# Altium PCB PCB - 焊接图.PcbDoc
Units mil, origin at the board's own origin, x right, y up, seen from the top; angles counter-clockwise.
Board outline 1574.8 x 1574.8 mil, 4 copper layers (Top Layer, Layer 1, Layer 2, Bottom Layer), stack 23.756 mil thick; 100 components, 88 nets, 359 pads, 344 vias.
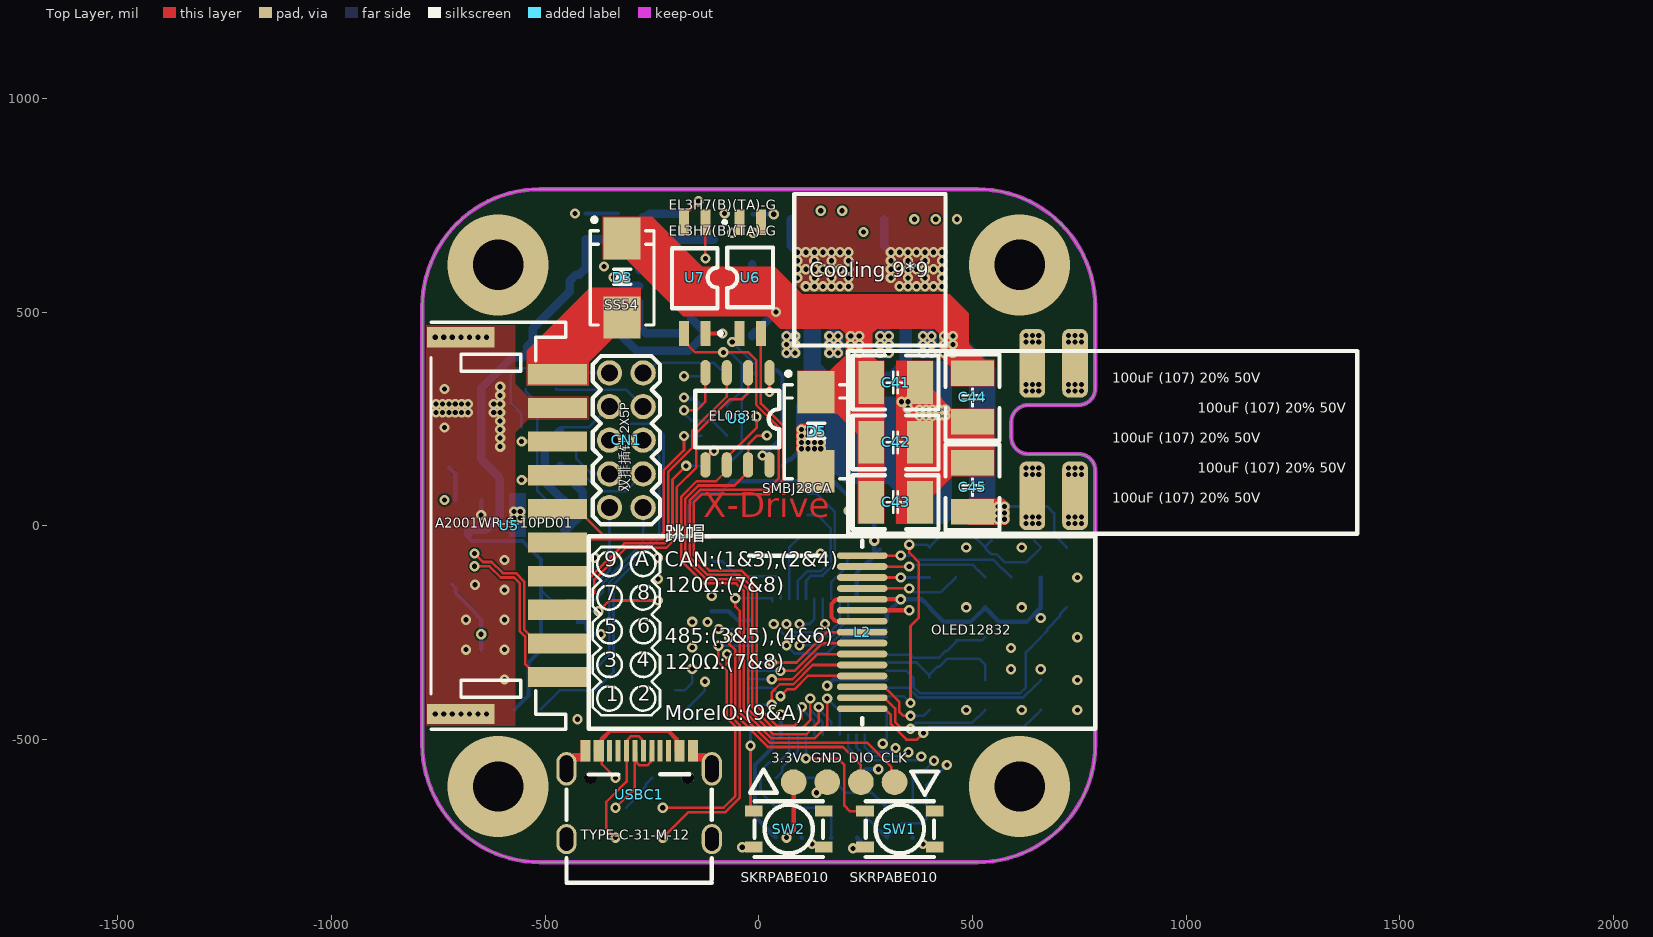
[diagram p0: Top Layer view]
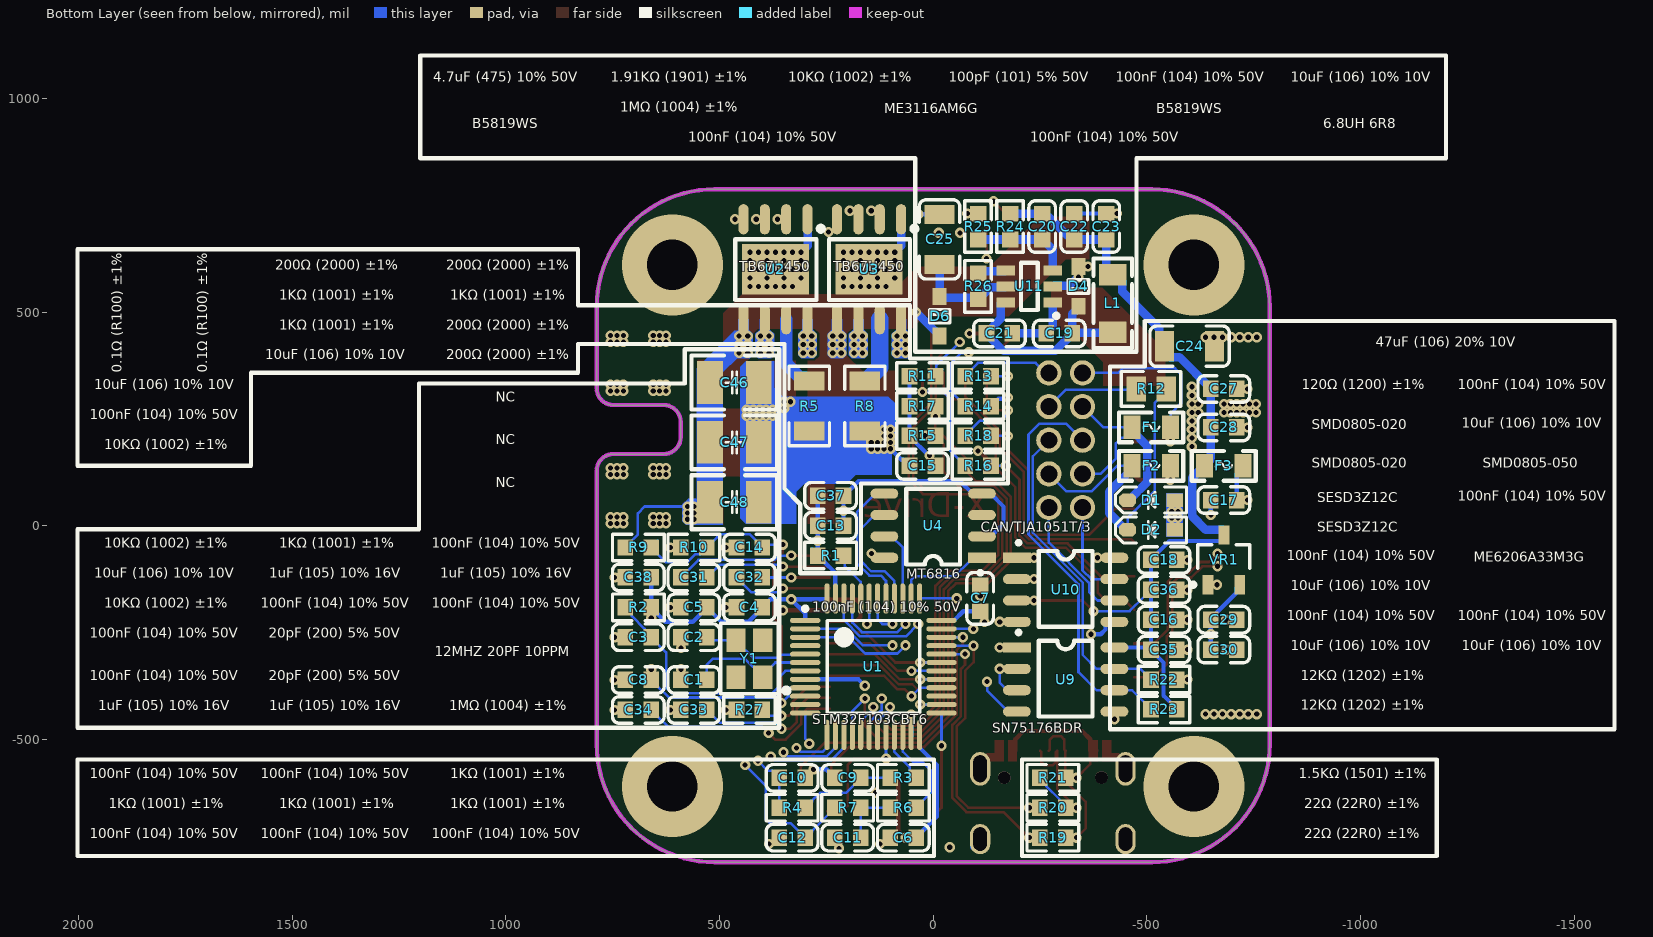
[diagram p1: Bottom Layer view, seen from below]
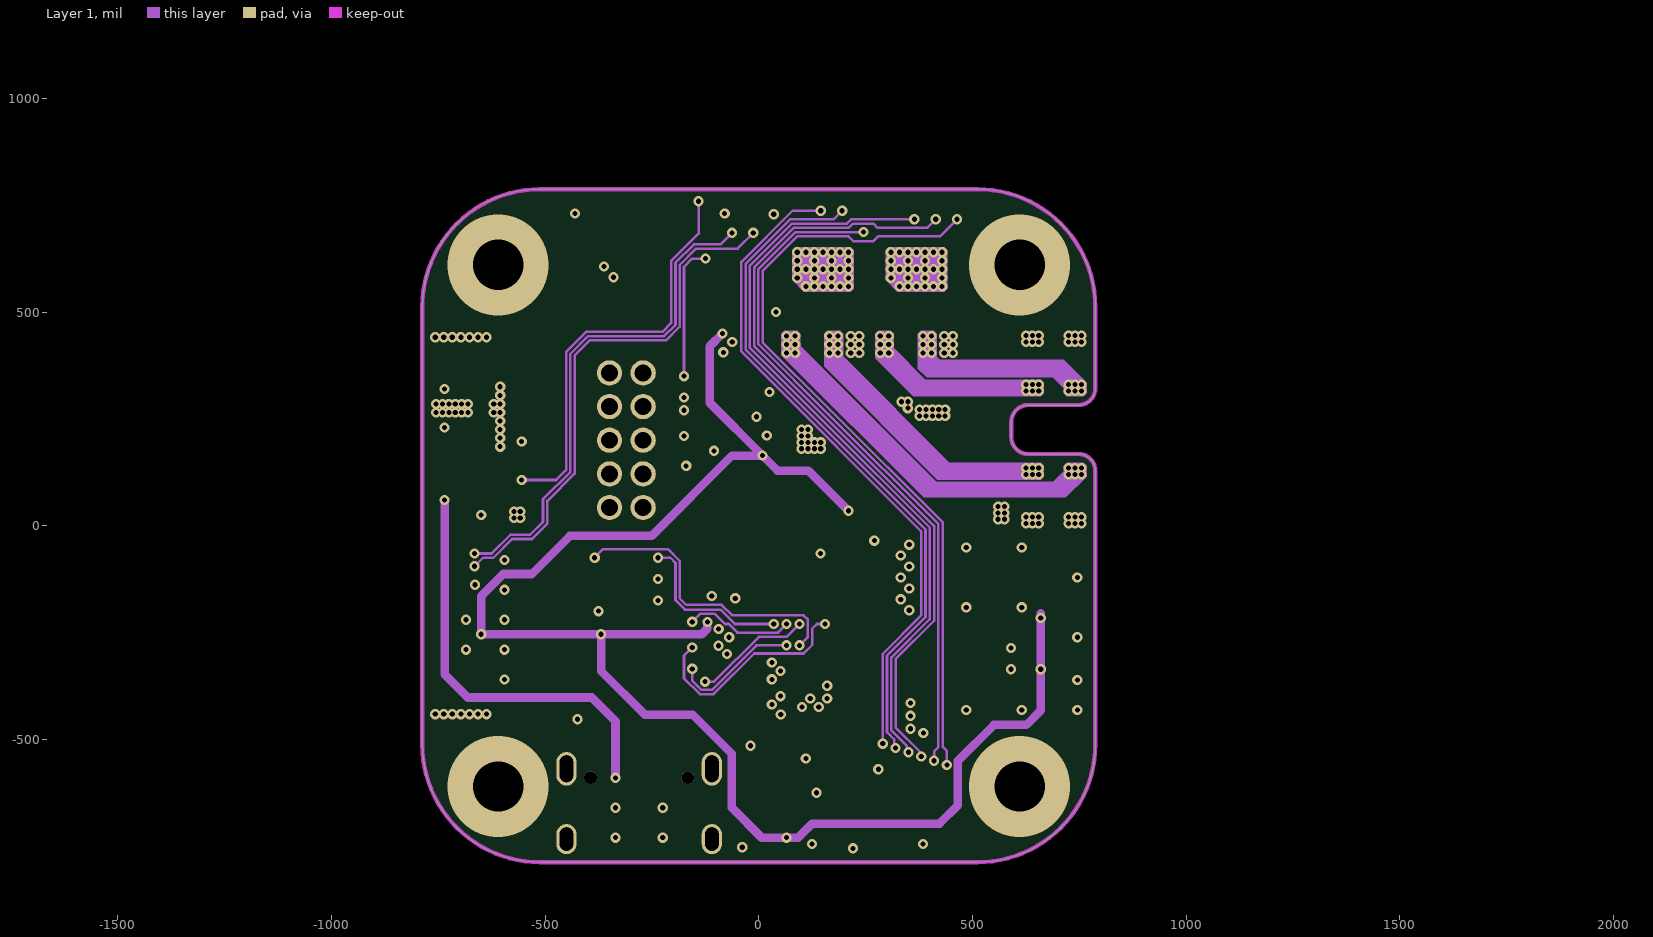
[diagram p2: Layer 1]
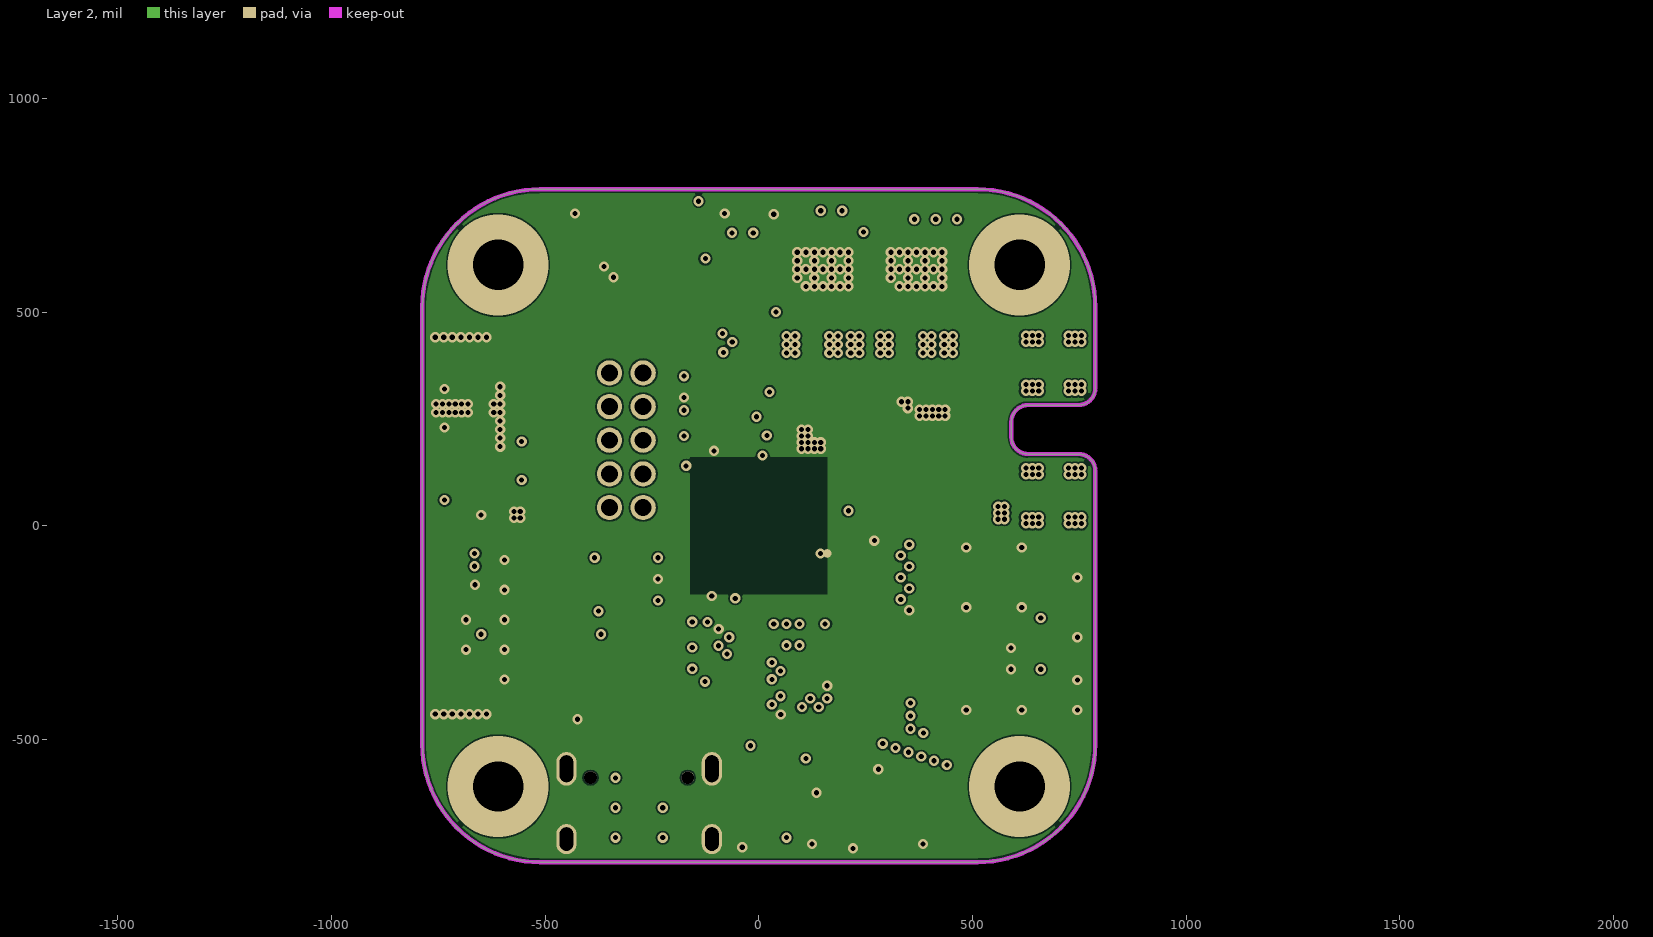
[diagram p3: Layer 2]
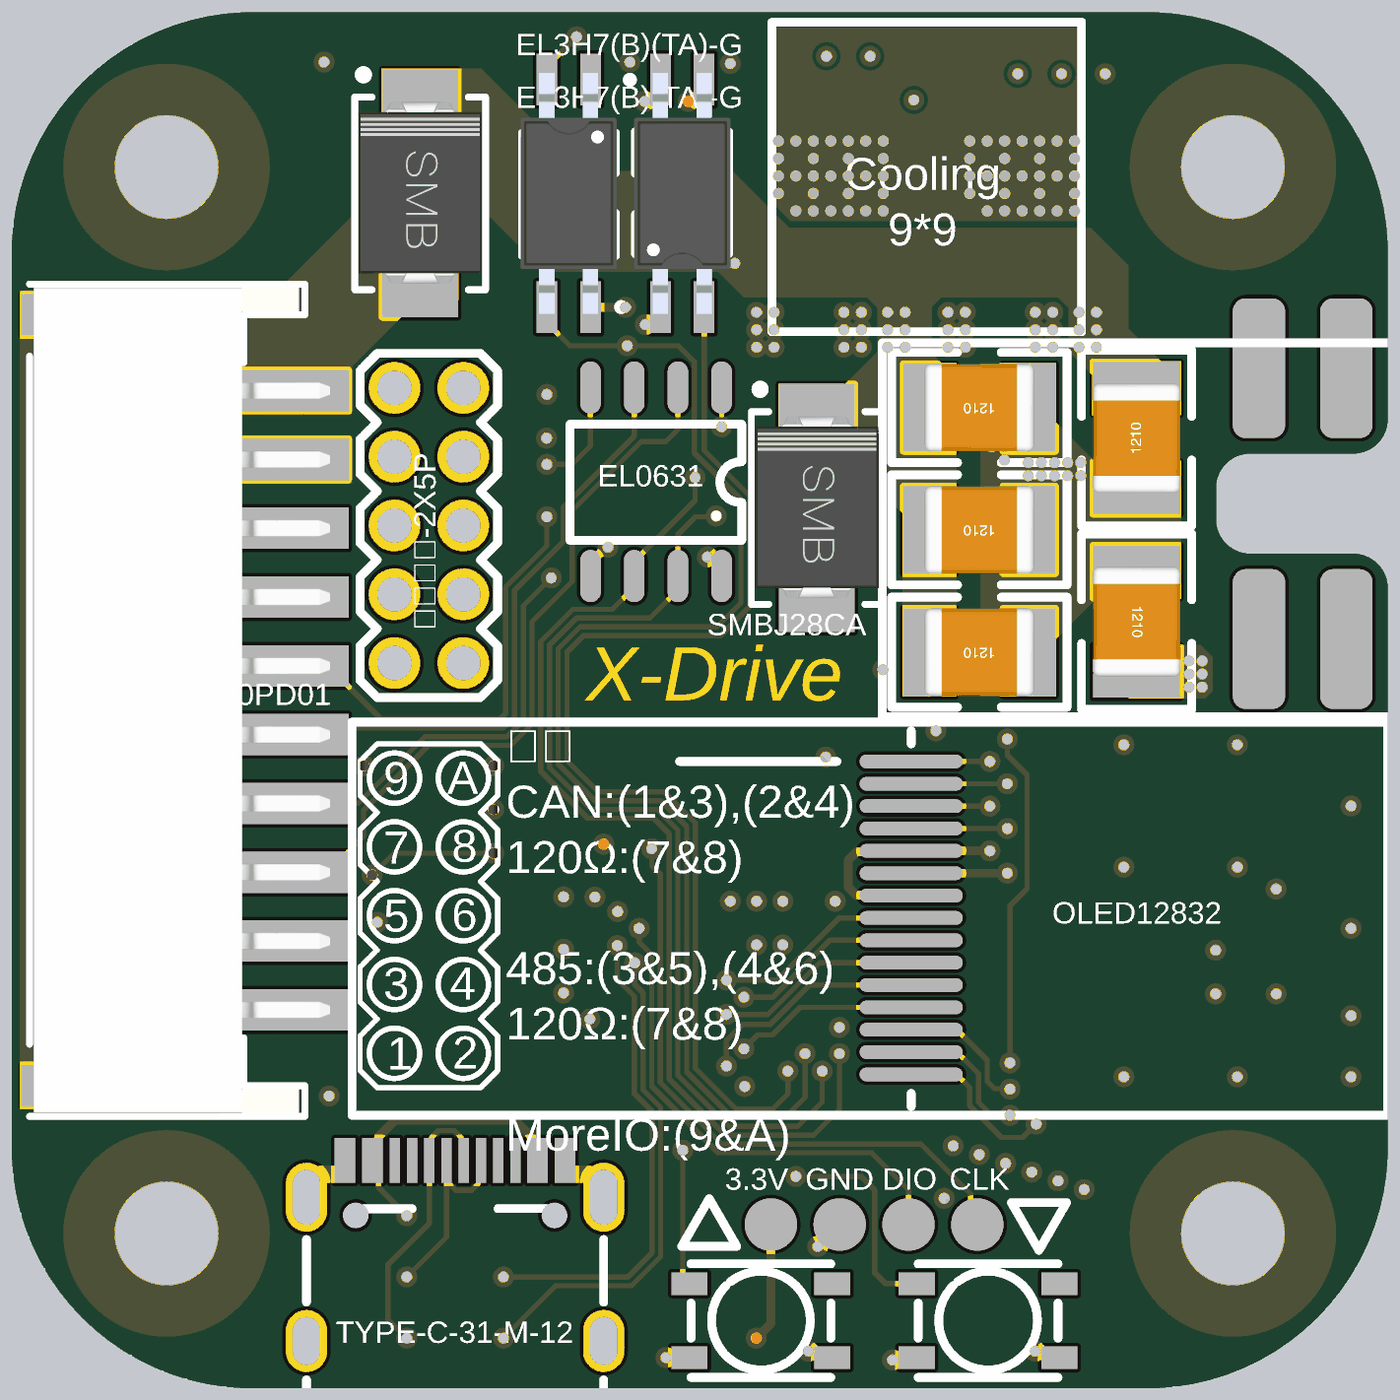
[diagram p4: 3D render of the assembled board from above, using the file's embedded part models]
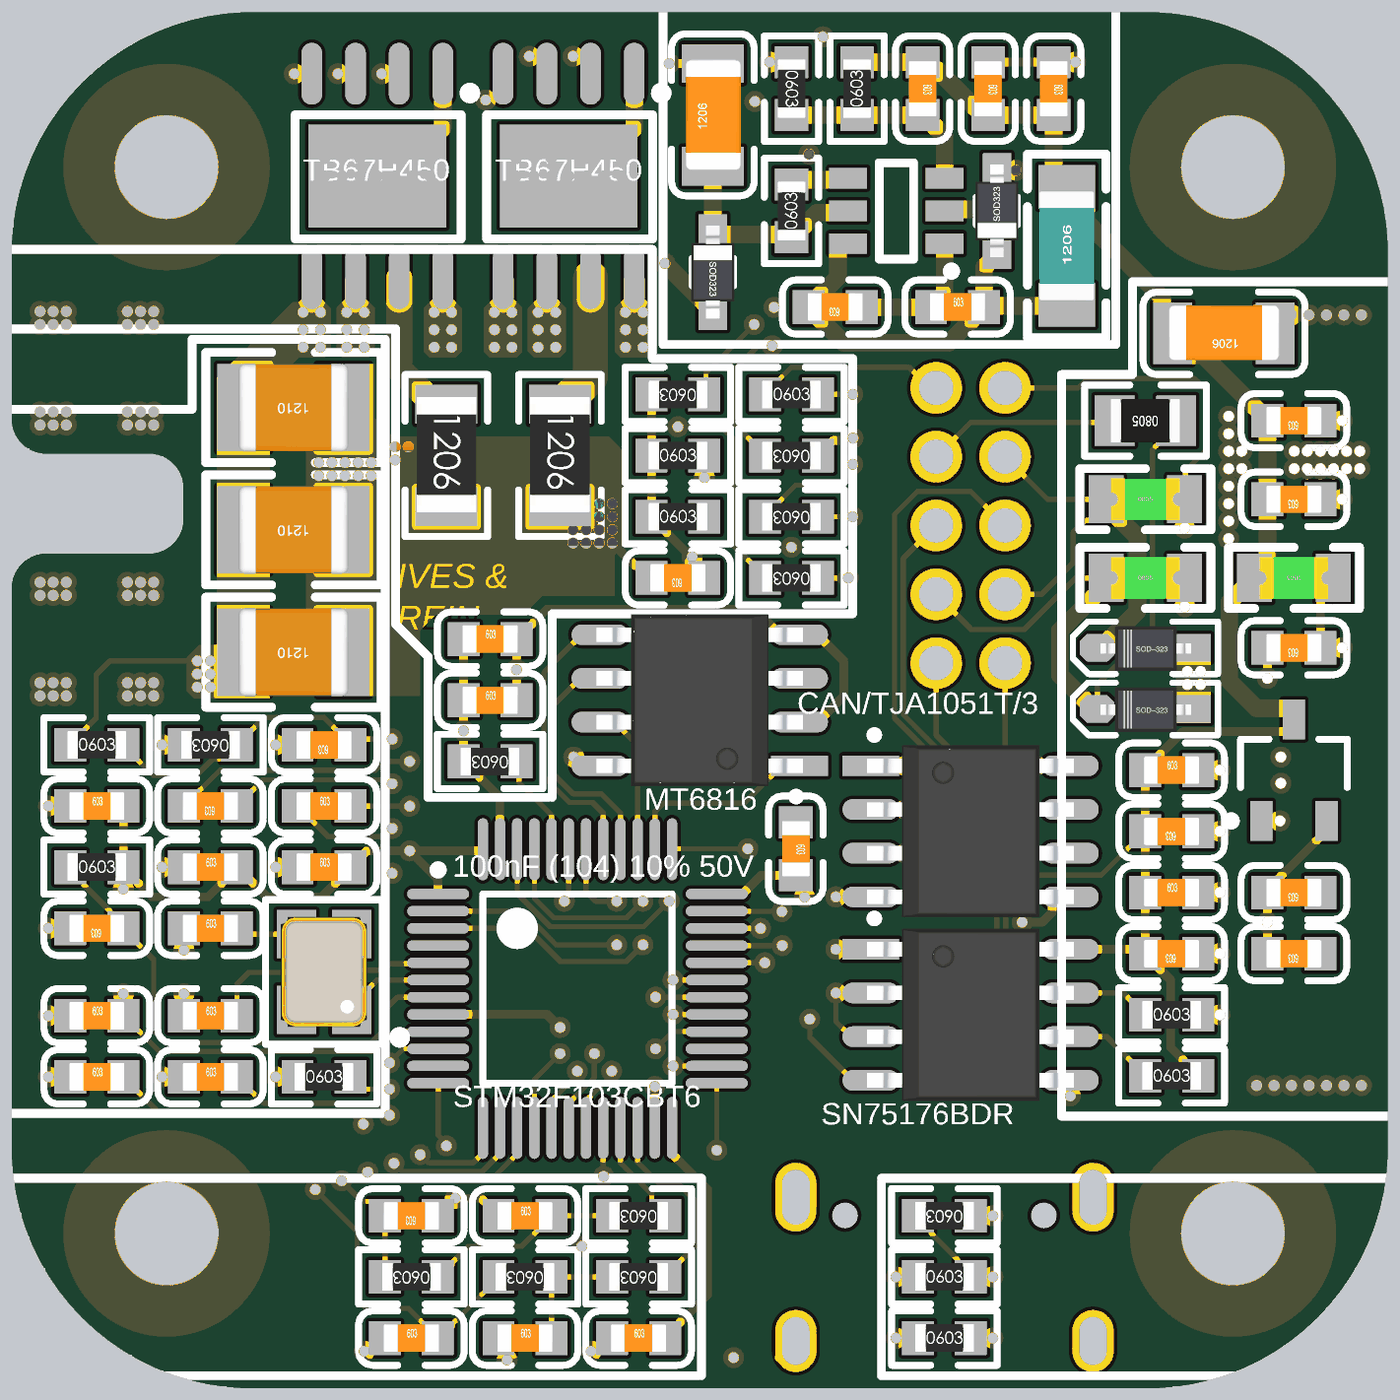
[diagram p5: 3D render of the assembled board from below, using the file's embedded part models]

## Layer stack, top to bottom
Top Solder: solder mask 0.4, Solder Resist, Dk 3.5
Top Layer: signal copper 1.4
Dielectric 2: prepreg 2.8, PP-006, Dk 4.1
Layer 1: signal copper 1.378
Dielectric 1: dielectric 12.6, FR-4, Dk 4.8
Layer 2: signal copper 1.378
Dielectric 3: prepreg 2.8, PP-006, Dk 4.1
Bottom Layer: signal copper 1.4
Bottom Solder: solder mask 0.4, Solder Resist, Dk 3.5

## Board outline
-787.4,-511.81 ccw(c-511.81,-511.81) -511.81,-787.4 511.81,-787.4 ccw(c511.81,-511.81) 787.4,-511.81 787.4,128.35 ccw(c748.03,128.35) 748.03,167.72 630.24,167.72 cw(c630.24,207.09) 590.87,207.09 590.87,242.91 cw(c630.24,242.91) 630.24,282.28 748.03,282.28 ccw(c748.03,321.65) 787.4,321.65 787.4,511.81 ccw(c511.81,511.81) 511.81,787.4 -511.81,787.4 ccw(c-511.81,511.81) -787.4,511.81

## Design rules (kind name [scope] priority, off if disabled: settings)
Clearance [All] p1: gap=4 ignorepadtopadclearanceinfootprint=FALSE
ComponentClearance [All] p1: gap=0 collisioncheckmode=3 verticalgap=10 showdistances=TRUE
PolygonConnect [All] p1: connectstyle=Direct reliefconductorwidth=10 reliefentries=4 polygonreliefangle="90 Angle" airgapwidth=10
RoutingVias [All] p1: holewidth=12 width=24 viastyle="Through Hole" minholewidth=8 minwidth=18 maxholewidth=1200 maxwidth=2400
SolderMaskExpansion [All] p1: expansion=4 istentingtop=FALSE
Width [All] p1: maxlimit=100 minlimit=4 preferedwidth=6
29 further rules are at their usual default settings.

## Classes and differential pairs
component class UI: C31 C32 C33 C34 C38 L2 R27 SW1 SW2
component class Sensor: C13 C14 C37 R9 R10 U4
component class Power: C19 C20 C21 C22 C23 C24 C25 C27 C28 C29 C30 C41 C42 C43 C44 C45 C46 C47 C48 D3 D4 D5 D6 F3 L1 R24 R25 R26 U11 VR1
component class Port: C15 C16 C17 C18 C35 C36 CN1 D1 D2 F1 F2 R11 R12 R13 R14 R15 R16 R17 R18 R19 R20 R21 R22 R23 T1 U5 U6 U7 U8 U9 U10 USBC1
component class MCU: C1 C2 C3 C4 C5 C6 C7 C8 R1 R2 U1 Y1
component class Drive: C9 C10 C11 C12 R3 R4 R5 R6 R7 R8 U2 U3

## Components (designator, comment, footprint, x,y, rotation, side; value= is the part's Value field where it differs from the comment)
C1 "20pF (200) 5% 50V" 0603_C 560,-361 r180 bottom
C2 "20pF (200) 5% 50V" 0603_C 560,-261 r180 bottom
C3 "100nF (104) 10% 50V" 0603_C 690,-261 r0 bottom
C4 "100nF (104) 10% 50V" 0603_C 430,-191 r180 bottom
C5 "100nF (104) 10% 50V" 0603_C 560,-191 r180 bottom
C6 "100nF (104) 10% 50V" 0603_C 70,-730 r180 bottom
C7 "100nF (104) 10% 50V" 0603_C -110,-170 r270 bottom
C8 "100nF (104) 10% 50V" 0603_C 690,-361 r180 bottom
C9 "100nF (104) 10% 50V" 0603_C 200,-590 r180 bottom
C10 "100nF (104) 10% 50V" 0603_C 330,-590 r0 bottom
C11 "100nF (104) 10% 50V" 0603_C 200,-730 r180 bottom
C12 "100nF (104) 10% 50V" 0603_C 330,-730 r180 bottom
C13 "100nF (104) 10% 50V" 0603_C 240,0 r180 bottom
C14 "100nF (104) 10% 50V" 0603_C 430,-51 r0 bottom
C15 "10uF (106) 10% 10V" 0603_C 25,140 r0 bottom
C16 "100nF (104) 10% 50V" 0603_C -540,-220 r180 bottom
C17 "100nF (104) 10% 50V" 0603_C -680,60 r0 bottom
C18 "100nF (104) 10% 50V" 0603_C -540,-80 r180 bottom
C19 "100nF (104) 10% 50V" 0603_C -295,450 r180 bottom
C20 "100pF (101) 5% 50V" 0603_C -255,700 r270 bottom
C21 "100nF (104) 10% 50V" 0603_C -155,450 r0 bottom
C22 "100nF (104) 10% 50V" 0603_C -330,700 r270 bottom
C23 "10uF (106) 10% 10V" 0603_C -405,700 r270 bottom
C24 "47uF (106) 20% 10V" 1206_C -600,420 r0 bottom
C25 "4.7uF (475) 10% 50V" 1206_C -15,670 r90 bottom
C27 "100nF (104) 10% 50V" 0603_C -680,320 r0 bottom
C28 "10uF (106) 10% 10V" 0603_C -680,230 r0 bottom
C29 "100nF (104) 10% 50V" 0603_C -680,-220 r0 bottom
C30 "10uF (106) 10% 10V" 0603_C -680,-290 r0 bottom
C31 "1uF (105) 10% 16V" 0603_C 560,-121 r0 bottom
C32 "1uF (105) 10% 16V" 0603_C 430,-121 r180 bottom
C33 "1uF (105) 10% 16V" 0603_C 560,-431 r180 bottom
C34 "1uF (105) 10% 16V" 0603_C 690,-431 r180 bottom
C35 "10uF (106) 10% 10V" 0603_C -540,-290 r0 bottom
C36 "10uF (106) 10% 10V" 0603_C -540,-150 r0 bottom
C37 "10uF (106) 10% 10V" 0603_C 240,70 r180 bottom
C38 "10uF (106) 10% 10V" 0603_C 690,-121 r180 bottom
C41 "100uF (107) 20% 50V" "C 1210_L" 320,335 r180 top
C42 "100uF (107) 20% 50V" "C 1210_L" 320,195 r180 top
C43 "100uF (107) 20% 50V" "C 1210_L" 320,55 r180 top
C44 "100uF (107) 20% 50V" "C 1210_L" 500,300 r90 top
C45 "100uF (107) 20% 50V" "C 1210_L" 500,90 r270 top
C46 "NC" "C 1210_L" 465,335 r0 bottom
C47 "NC" "C 1210_L" 465,195 r0 bottom
C48 "NC" "C 1210_L" 465,55 r0 bottom
CN1 "双排插针-2X5P" A2005WV-2X5P -310,200 r90 top
D1 "SESD3Z12C" SOD-323#1 -510,60 r0 bottom
D2 "SESD3Z12C" SOD-323#1 -510,-10 r0 bottom
D3 "SS54" SMB -320,580 r90 top
D4 "B5819WS" SOD-323#2 -340,560 r90 bottom
D5 "SMBJ28CA" SMB 134,220 r90 top
D6 "B5819WS" SOD-323#2 -15,490 r270 bottom
F1 "SMD0805-020" "FU 0805" -510,230 r180 bottom
F2 "SMD0805-020" "FU 0805" -510,140 r180 bottom
F3 "SMD0805-050" "FU 0805" -680,140 r0 bottom
L1 "6.8UH 6R8" "L 1206" -420,520 r90 bottom
L2 "OLED12832" "PCBComponent_1 - duplicate" -63,-50 r180 top
R1 "10KΩ (1002) ±1%" 0603_R 240,-70 r0 bottom
R2 "10KΩ (1002) ±1%" 0603_R 690,-191 r180 bottom
R3 "1KΩ (1001) ±1%" 0603_R 70,-590 r0 bottom
R4 "1KΩ (1001) ±1%" 0603_R 330,-660 r0 bottom
R5 "0.1Ω (R100) ±1%" 1206_R 290,280 r270 bottom
R6 "1KΩ (1001) ±1%" 0603_R 70,-660 r0 bottom
R7 "1KΩ (1001) ±1%" 0603_R 200,-660 r0 bottom
R8 "0.1Ω (R100) ±1%" 1206_R 160,280 r270 bottom
R9 "10KΩ (1002) ±1%" 0603_R 690,-51 r180 bottom
R10 "1KΩ (1001) ±1%" 0603_R 560,-51 r0 bottom
R11 "200Ω (2000) ±1%" 0603_R 25,350 r0 bottom
R12 "120Ω (1200) ±1%" 0805_R -510,320 r0 bottom
R13 "200Ω (2000) ±1%" 0603_R -105,350 r180 bottom
R14 "1KΩ (1001) ±1%" 0603_R -105,280 r0 bottom
R15 "1KΩ (1001) ±1%" 0603_R 25,210 r180 bottom
R16 "200Ω (2000) ±1%" 0603_R -105,140 r0 bottom
R17 "1KΩ (1001) ±1%" 0603_R 25,280 r180 bottom
R18 "200Ω (2000) ±1%" 0603_R -105,210 r0 bottom
R19 "22Ω (22R0) ±1%" 0603_R -280,-730 r180 bottom
R20 "22Ω (22R0) ±1%" 0603_R -280,-660 r180 bottom
R21 "1.5KΩ (1501) ±1%" 0603_R -280,-590 r0 bottom
R22 "12KΩ (1202) ±1%" 0603_R -540,-360 r180 bottom
R23 "12KΩ (1202) ±1%" 0603_R -540,-430 r180 bottom
R24 "10KΩ (1002) ±1%" 0603_R -180,700 r90 bottom
R25 "1.91KΩ (1901) ±1%" 0603_R -105,700 r270 bottom
R26 "1MΩ (1004) ±1%" 0603_R -105,560 r90 bottom
R27 "1MΩ (1004) ±1%" 0603_R 430,-431 r180 bottom
SW1 "SKRPABE010" KEY-SMD-4P_L4.20-W3.20 330,-710 r180 top
SW2 "SKRPABE010" KEY-SMD-4P_L4.20-W3.20 70,-710 r180 top
U1 "STM32F103CBT6" LQFP48_N 140,-330 r180 bottom
U2 "TB67H450" SOIC-8_EP_150MIL 369,600 r270 bottom
U3 "TB67H450" SOIC-8_EP_150MIL 150,600 r270 bottom
U4 "MT6816" SOIC_8 0,0 r90 bottom
U5 "A2001WR-S-10PD01" PH2.0-WS-10P -697,0 r270 top
U6 "EL3H7(B)(TA)-G" SOP4 -20,580 r270 top
U7 "EL3H7(B)(TA)-G" SOP4 -150,580 r90 top
U8 "EL0631" SOIC-8_L5.0-W4.0-P1.27-LS6.0-BL -50,250 r180 top
U9 "SN75176BDR" SOIC_8 -310,-360 r270 bottom
U10 "CAN/TJA1051T/3" SOIC_8 -310,-150 r270 bottom
U11 "ME3116AM6G" SOT-23-6 -225,560 r180 bottom
USBC1 "TYPE-C-31-M-12" USB-C_SMD-TYPE-C-31-M-12 -280,-630 r0 top
VR1 "ME6206A33M3G" SOT-23-3L -680,-80 r270 bottom
Y1 "12MHZ 20PF 10PPM" SMD-3225_4P 430,-311 r90 bottom

## Footprints (in the part's own frame and the unit in brackets; to place one, negate y for a bottom-side part, rotate by r counter-clockwise, add the part's x,y. Pads: shape width x height; smd on the part's side, far side on the other; paste and mask are expansions set on the pad)
0603_C [mm]
  rect 0.93x0.98 smd: 1(-0.77,0) 2(0.77,0)
  silkscreen extent -1.53,-0.79 1.54,0.79, body extent -0.8,-0.4 0.8,0.4, height 0.3
0603_R [mm]
  rect 0.93x0.98 smd: 1(-0.77,0) 2(0.77,0)
  silkscreen extent -1.53,-0.79 1.54,0.79, body extent -0.85,-0.4 0.85,0.4, height 0.56
0805_R [mm]
  rect 1.16x1.47 smd: 1(-0.89,0) 2(0.89,0)
  silkscreen extent -1.77,-1.04 1.77,1.03, body extent -1,-0.63 1,0.62, height 0.49
1206_C [mm]
  rect 1.13x1.8 smd: 1(-1.49,0) 2(1.49,0)
  silkscreen extent -2.36,-1.2 2.35,1.2, body extent -1.6,-0.81 1.6,0.79, height 1
1206_R [mm]
  rect 1.13x1.8 smd: 1(-1.49,0) 2(1.49,0)
  silkscreen extent -2.36,-1.2 2.35,1.2, body extent -1.7,-0.86 1.65,0.87, height 0.85
A2005WV-2X5P [mm]
  round 1.5 hole 1: 1(-4,1) 2(-4,-1) 3(-2,1) 4(-2,-1) 5(0,1) 6(0,-1) 7(2,1) 8(2,-1) 9(4,1) 10(4,-1)
  silkscreen extent -5,-2 5,2
"C 1210_L" [mil] "无极性贴片电容"
  rect 60x100 smd: 1(-57.09,0) 2(57.09,0)
  silkscreen extent -100,-63 100,63, body extent -63,-51 63,51, height 60
"FU 0805" [mil] "贴片保险丝"
  rect 40x55 smd: 1(-45,0) 2(45,0)
  silkscreen extent -75,-35 75,35, body extent -39,-24 39,24, height 20
KEY-SMD-4P_L4.20-W3.20 [mm]
  rect 1.05x0.65 smd: 1(-2.075,1.075) 2(2.075,1.075) 3(-2.075,-1.075) 4(2.075,-1.075)
  silkscreen extent -2.03,-1.65 2.03,1.65
"L 1206" [mil] "小功率贴片电感"
  rect 50x65 smd: 1(-67.5,0) 2(67.5,0)
  silkscreen extent -105,-45 105,45, body extent -63,-31 63,31, height 35
LQFP48_N [mm] "Thin QFP, 48-Leads, Body 7x7mm, Pitch 0.5mm, IPC Medium Density"
  oval 1.8x0.3 smd: 1(-4.05,2.75) 2(-4.05,2.25) 3(-4.05,1.75) 4(-4.05,1.25) 5(-4.05,0.75) 6(-4.05,0.25) 7(-4.05,-0.25) 8(-4.05,-0.75) 9(-4.05,-1.25) 10(-4.05,-1.75) 11(-4.05,-2.25) 12(-4.05,-2.75) 25(4.05,-2.75) 26(4.05,-2.25) 27(4.05,-1.75) 28(4.05,-1.25) 29(4.05,-0.75) 30(4.05,-0.25) 31(4.05,0.25) 32(4.05,0.75) 33(4.05,1.25) 34(4.05,1.75) 35(4.05,2.25) 36(4.05,2.75)
  oval 0.3x1.8 smd: 13(-2.75,-4.05) 14(-2.25,-4.05) 15(-1.75,-4.05) 16(-1.25,-4.05) 17(-0.75,-4.05) 18(-0.25,-4.05) 19(0.25,-4.05) 20(0.75,-4.05) 21(1.25,-4.05) 22(1.75,-4.05) 23(2.25,-4.05) 24(2.75,-4.05) 37(2.75,4.05) 38(2.25,4.05) 39(1.75,4.05) 40(1.25,4.05) 41(0.75,4.05) 42(0.25,4.05) 43(-0.25,4.05) 44(-0.75,4.05) 45(-1.25,4.05) 46(-1.75,4.05) 47(-2.25,4.05) 48(-2.75,4.05)
  silkscreen extent -4.18,-2.75 2.75,3.57, body extent -3.5,-3.5 3.5,3.5, height 1.6
"PCBComponent_1 - duplicate" [mm]
  oval 3x0.4 smd: 1(-7.747,0.508) 2(-7.747,1.158) 3(-7.747,1.808) 4(-7.747,2.458) 5(-7.747,3.108) 6(-7.747,3.758) 7(-7.747,4.408) 8(-7.747,5.058) 9(-7.747,5.708) 10(-7.747,6.358) 11(-7.747,7.008) 12(-7.747,7.658) 13(-7.747,8.308) 14(-7.747,8.958) 15(-7.747,9.608)
  silkscreen extent -21.59,-0.64 8.51,10.8
PH2.0-WS-10P [mm] "长：24mm，宽：7.6mm，高：5.5mm"
  rect 1.2x4 smd: 0(-11.2,-0.006) 0(11.2,-0.006)
  rect 1.2x3.5 smd: 1(-9,5.744) 2(-7,5.744) 3(-5,5.744) 4(-3,5.744) 5(-1,5.744) 6(1,5.744) 7(3,5.744) 8(5,5.744) 9(7,5.744) 10(9,5.744)
  silkscreen extent -12.1,-1.78 12.1,6.22, body extent -12,-1.65 12,6.95, height 5.55
SMB [mm] "4.7*3.9*2.2mm(长宽高，不包括引脚）"
  rect 2.5x2.2 smd: 1(-2.35,0) 2(2.35,0)
  silkscreen extent -2.8,-1.9 3.57,1.9, body extent -2.63,-1.8 2.67,1.8, height 2.35
SMD-3225_4P [mm]
  rect 1.4x1.15 smd: 1(-1.1,-0.8) 2(1.1,-0.8) 3(1.1,0.8) 4(-1.1,0.8)
  silkscreen extent -2.1,-2.35 2.1,1.7, body extent -1.6,-1.25 1.6,1.25, height 0.61
SOD-323#1 [mm] "1.8x1.3X0.9mm（长宽高，不包括引脚）"
  rect 1x0.8 smd: 1(-1.4,0)
  oct 1x0.8 smd: 2(1.4,0)
  silkscreen extent -2.11,-0.76 2.11,0.76, body extent -1.34,-0.63 1.31,0.67, height 1
SOD-323#2 [mm]
  rect 1x0.83 smd: 1(1.18,0) 2(-1.18,0)
  silkscreen extent -0.4,-0.6 0.4,0.6, body extent -1.35,-0.63 1.35,0.62, height 1.1
SOIC-8_EP_150MIL [mm]
  oval 1.798x0.6 smd: 1(-2.972,1.905) 2(-2.972,0.635) 3(-2.972,-0.635) 4(-2.972,-1.905) 5(2.972,-1.905) 6(2.972,-0.635) 7(2.972,0.635) 8(2.972,1.905)
  rect 3x4 smd: 9(0,0)
  silkscreen extent -2.56,-2.39 1.83,2.84
SOIC-8_L5.0-W4.0-P1.27-LS6.0-BL [mm]
  oval 0.6x1.518 smd: 1(-1.905,-2.74) 2(-0.635,-2.74) 3(0.635,-2.74) 4(1.905,-2.74) 5(1.905,2.74) 6(0.635,2.74) 7(-0.635,2.74) 8(-1.905,2.74)
  silkscreen extent -2.49,-1.67 2.5,1.7
SOIC_8 [mm]
  rect 0.6x1.65 smd: 1(-1.905,-2.9)
  oval 0.6x1.65 smd: 2(-0.635,-2.9) 3(0.635,-2.9) 4(1.905,-2.9) 5(1.905,2.9) 6(0.635,2.9) 7(-0.635,2.9) 8(-1.905,2.9)
  silkscreen extent -2.9,-2.9 2.2,1.6, body extent -2.5,-3.01 2.5,3.01, height 1.75
SOP4 [mm] "间距1.27mm（蒜米工坊）"
  rect 1.5x0.6 smd: 1(3.31,-0.635) 2(3.31,0.635) 3(-3.309,0.635) 4(-3.309,-0.635)
  silkscreen extent -1.81,-1.88 3.4,1.35, body extent -3.5,-1.4 3.5,1.4, height 2.1
SOT-23-3L [mm] "http://www.aosmd.com/res/packaging_information/SOT-23-3L.pdf"
  rect 1.15x0.65 smd: 1(1.475,-0.95) 2(1.475,0.95) 3(-1.475,0)
  silkscreen extent -0.9,-1.95 1.6,1.55, body extent -0.9,-1.55 0.9,1.55, height 1.25
SOT-23-6 [mm]
  rect 1.1x0.6 smd: 1(1.4,-0.95) 2(1.4,0) 3(1.4,0.95) 4(-1.4,0.95) 5(-1.4,0) 6(-1.4,-0.95)
  silkscreen extent -0.5,-1.87 1.72,1.4
USB-C_SMD-TYPE-C-31-M-12 [mm]
  oval 1.2x1.8 hole 0.8 slot 1.4 at 90 deg: 0(-4.32,-2.624) 0(4.32,-2.624)
  oval 1.2x2 hole 0.8 slot 1.6 at 90 deg: 0(-4.32,1.556) 0(4.32,1.556)
  rect 0.3x1.3 smd: A1(-3.35,2.623) A4(-2.55,2.623) A5(-1.25,2.623) A6(-0.25,2.623) A7(0.25,2.623) A8(1.25,2.624) A9(2.55,2.623) A12(3.35,2.623) B1(3.05,2.623) B4(2.25,2.623) B5(1.75,2.623) B6(0.75,2.623) B7(-0.75,2.623) B8(-1.75,2.624) B9(-2.25,2.623) B12(-3.05,2.623)
  round 0.75 hole 0.75 unplated: ""(-2.89,1.026) ""(2.89,1.026)
  silkscreen extent -4.32,-5.23 4.32,1.22
